# Altium PCB EPS.PcbDoc (part 1 of 2)
Units mil, origin at the board's own origin, x right, y up, seen from the top; angles counter-clockwise.
Board outline 3775.2 x 3550 mil, 6 copper layers (Top Layer, Layer 1, gnd, vdd eps, Layer 2, Bottom Layer), stack 77.112 mil thick; 410 components, 281 nets, 1446 pads, 38 vias.
Unrouted connection lines stored in the file: 1073.
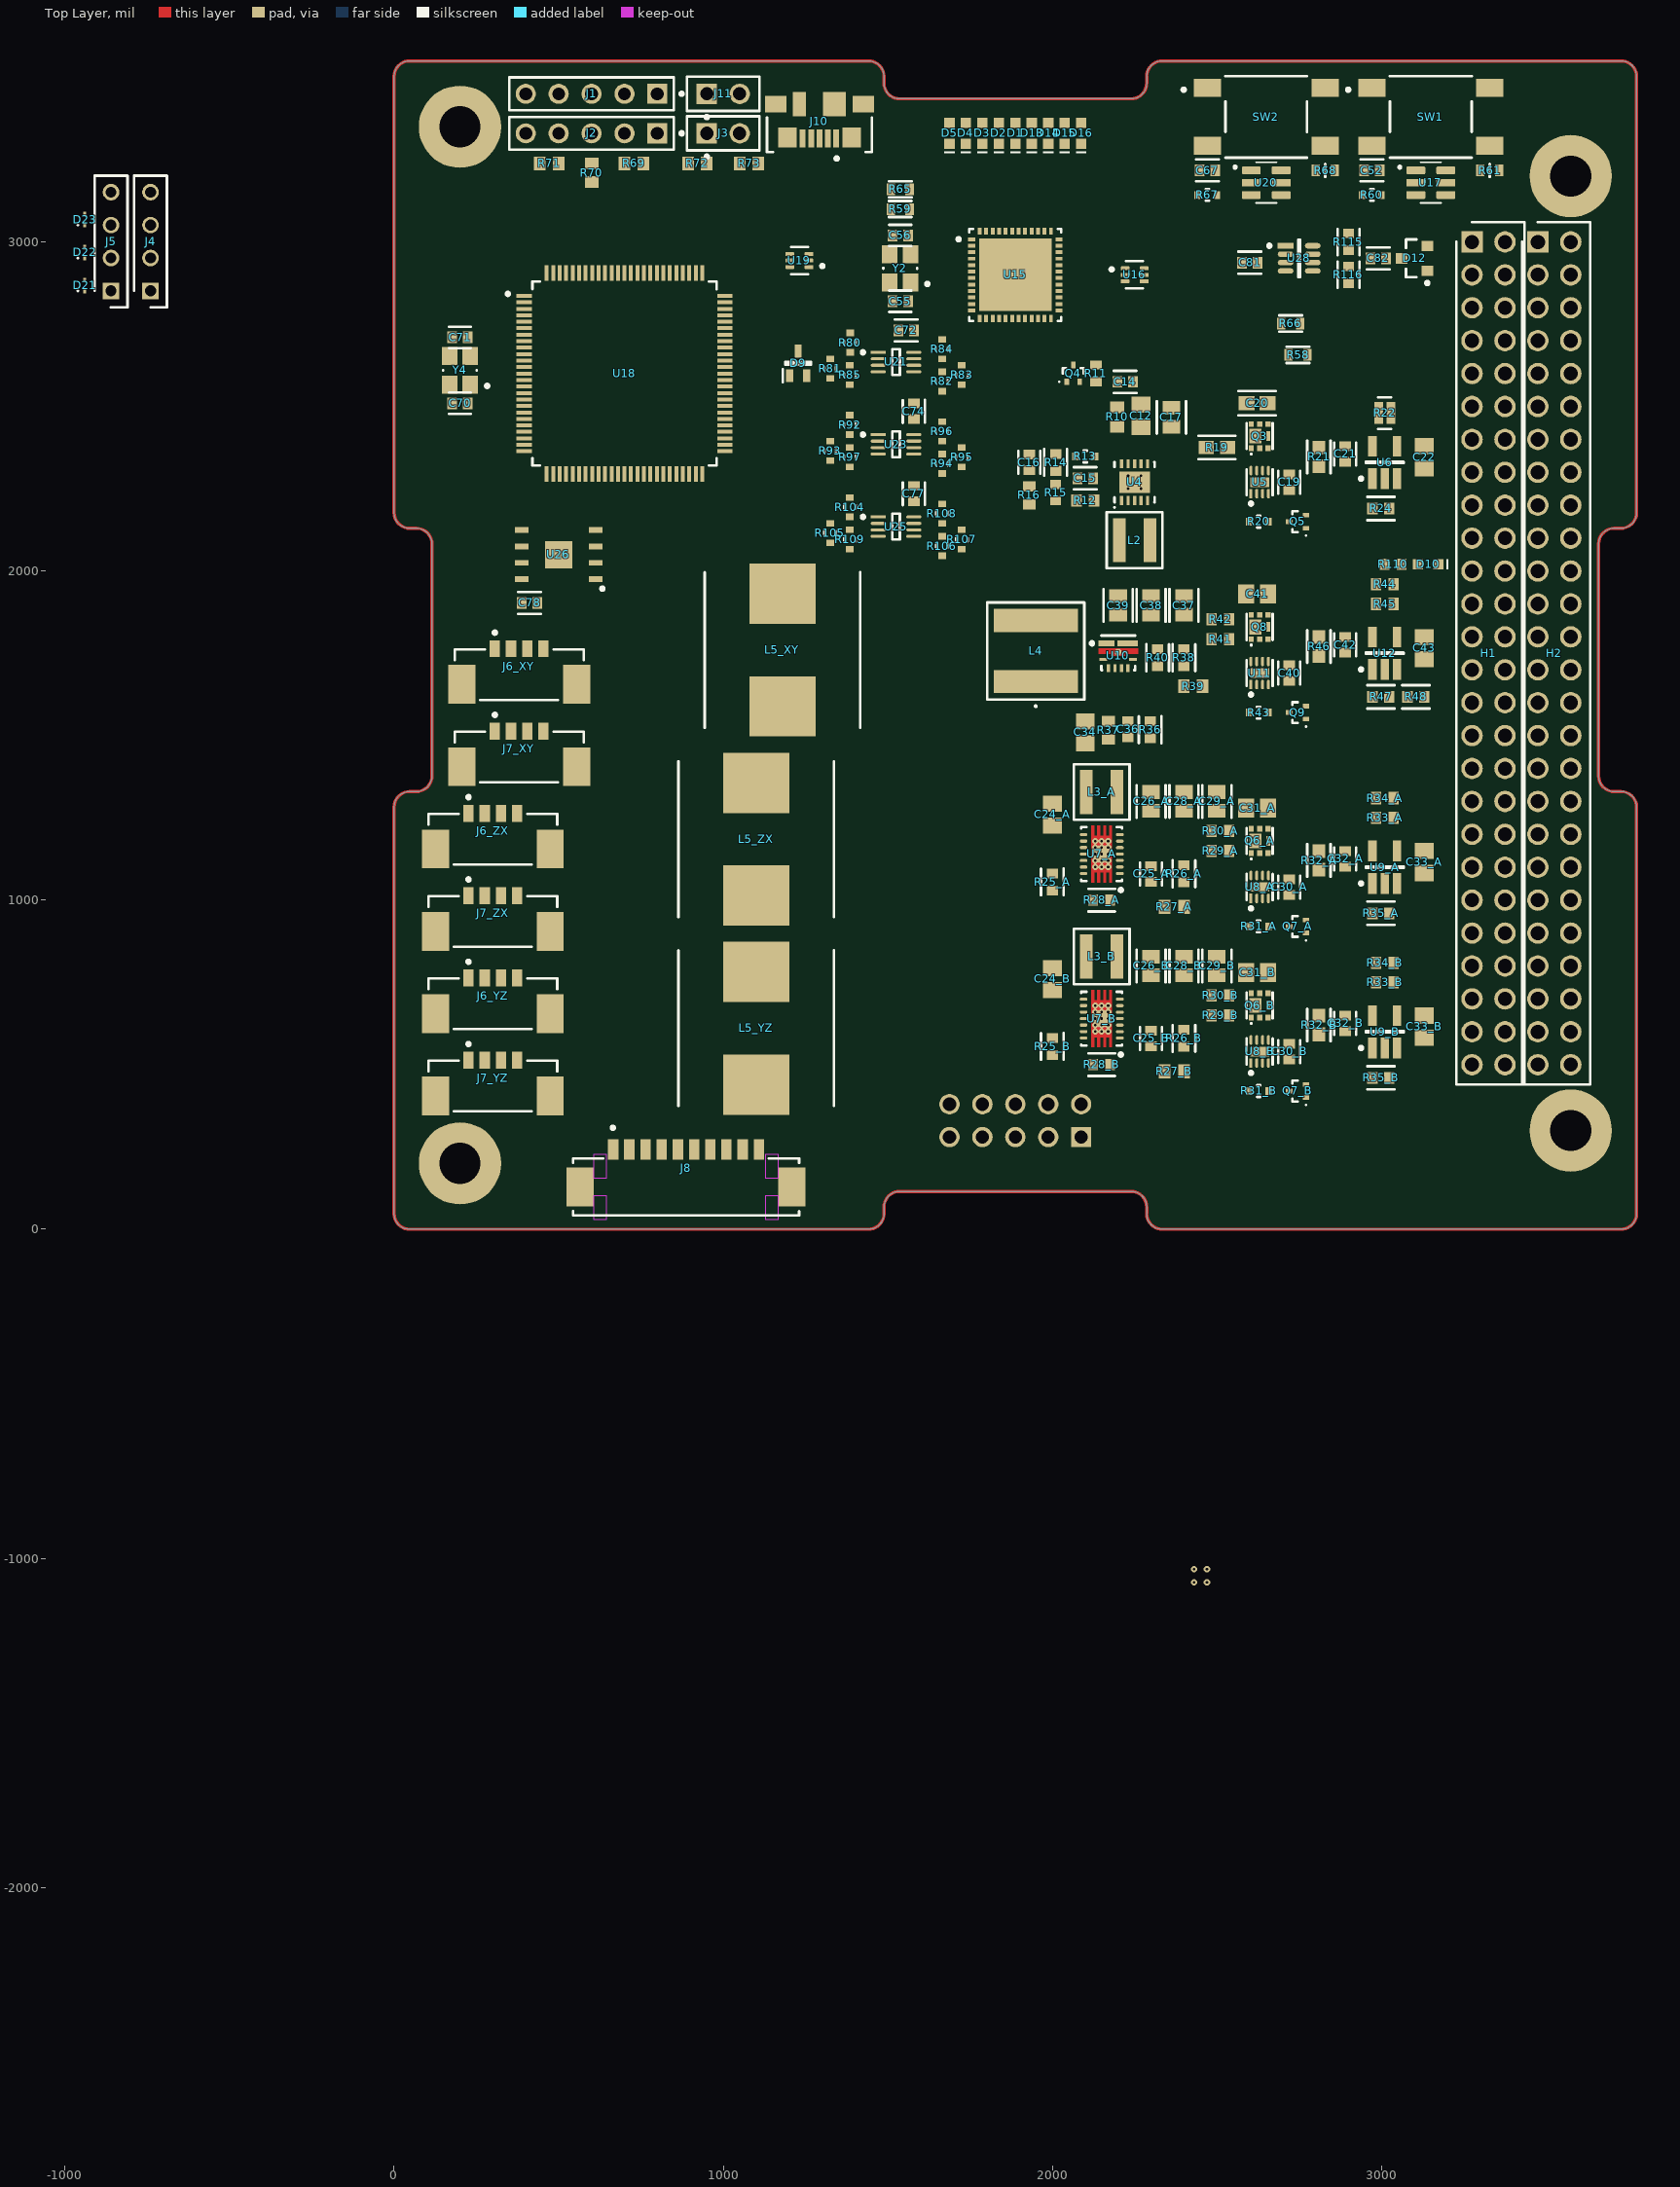
[diagram p0: Top Layer view]
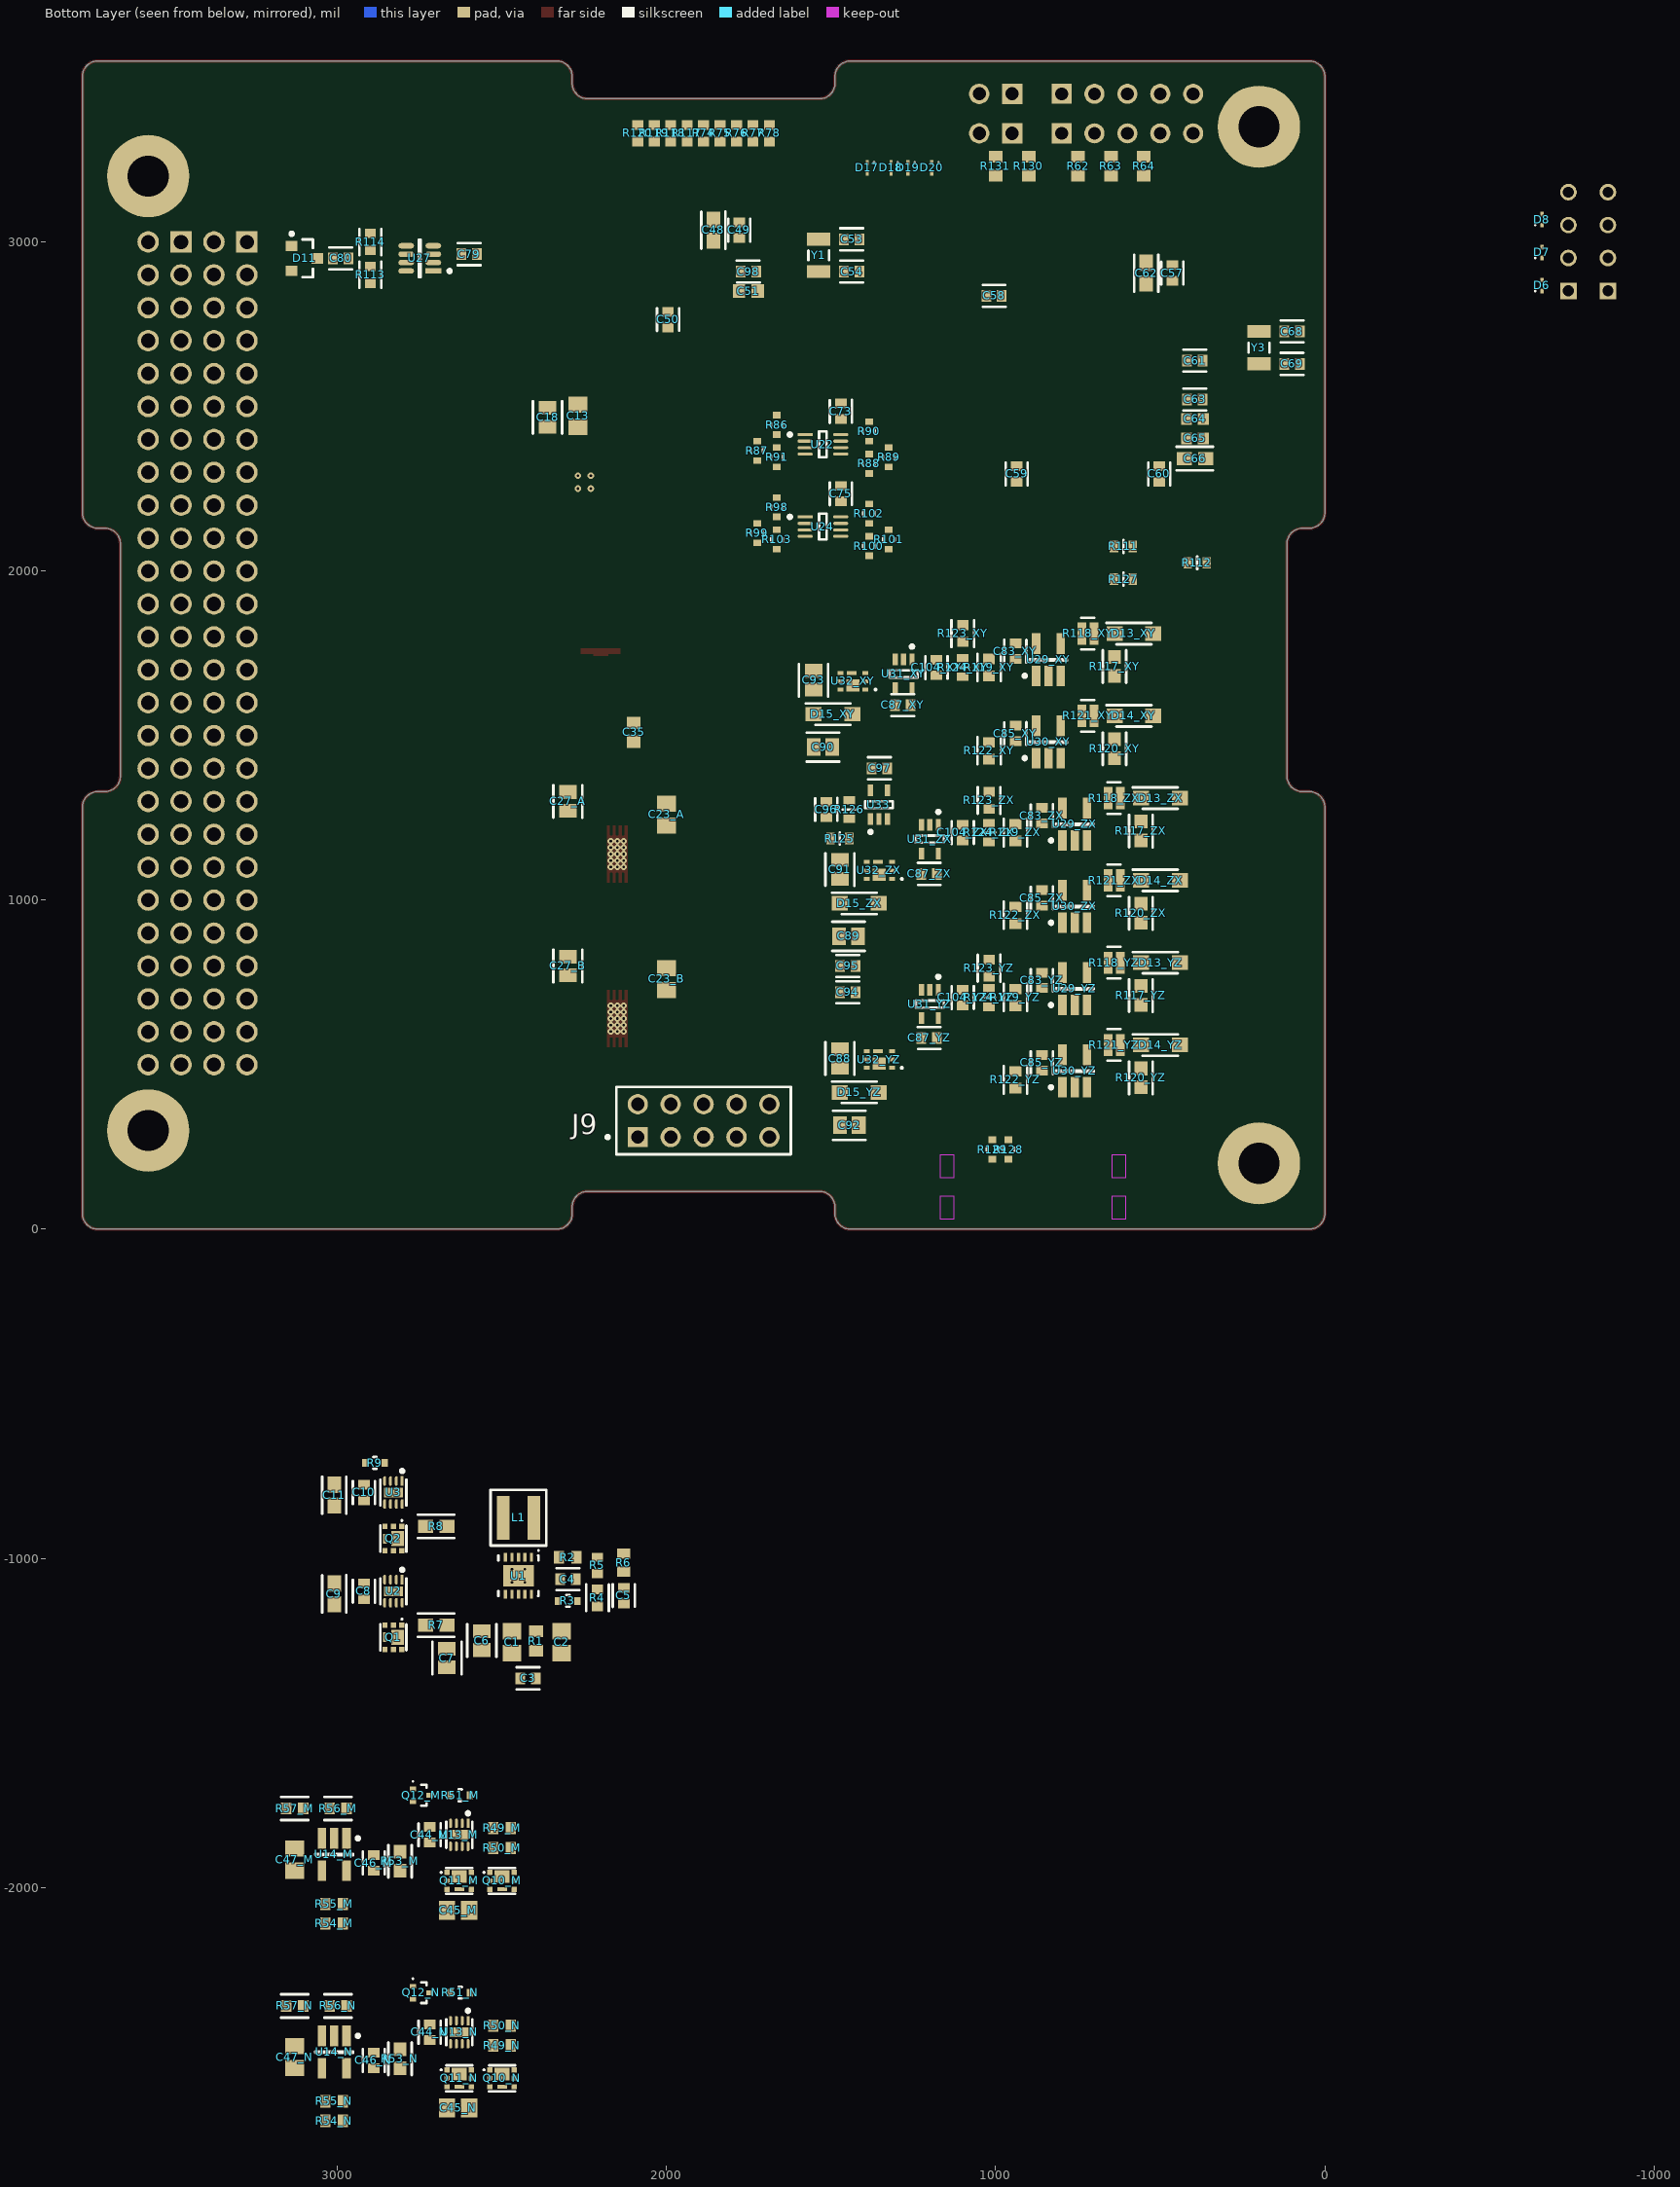
[diagram p1: Bottom Layer view, seen from below]
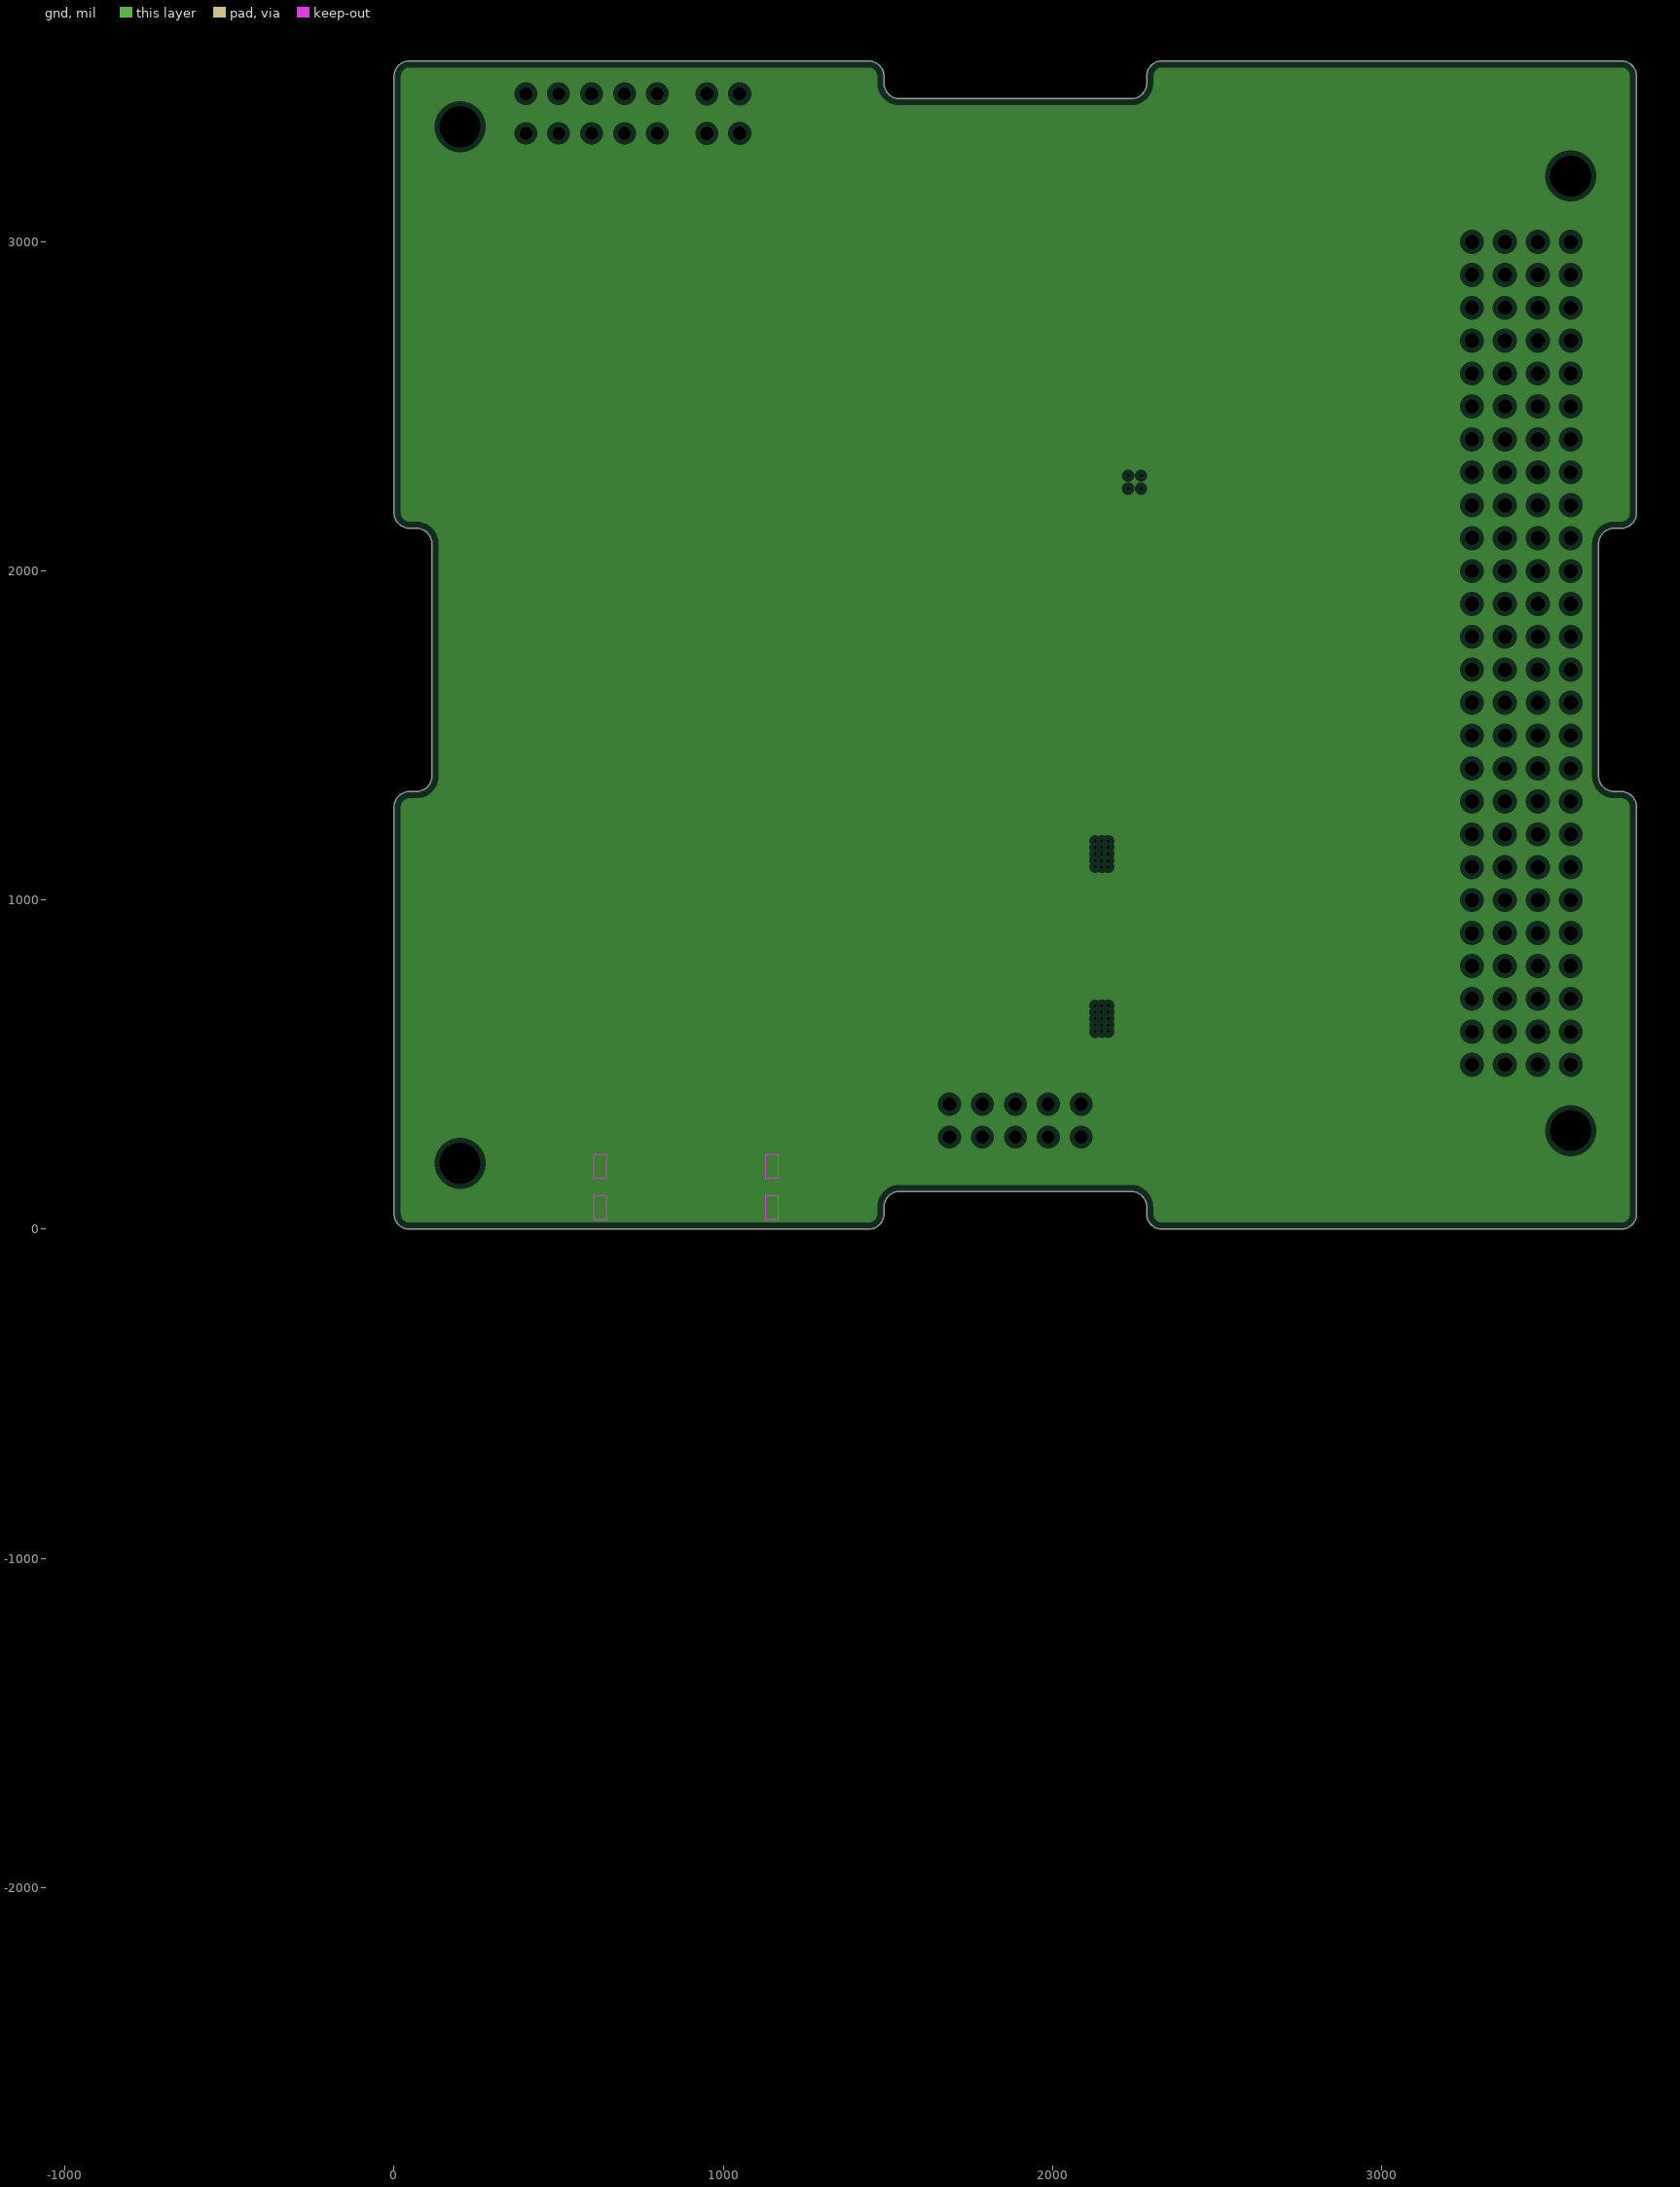
[diagram p2: gnd, clearances drawn from the general rule]